# Altium PCB AMC_Box_Mainboard.PcbDoc (part 8 of 8)
Units mil, origin at the board's own origin, x right, y up, seen from the top; angles counter-clockwise.
Board outline 2795.28 x 7874.02 mil, 4 copper layers (TOP, GND, PWR, BTM), stack 63.701 mil thick; 505 components, 378 nets, 1991 pads, 997 vias.
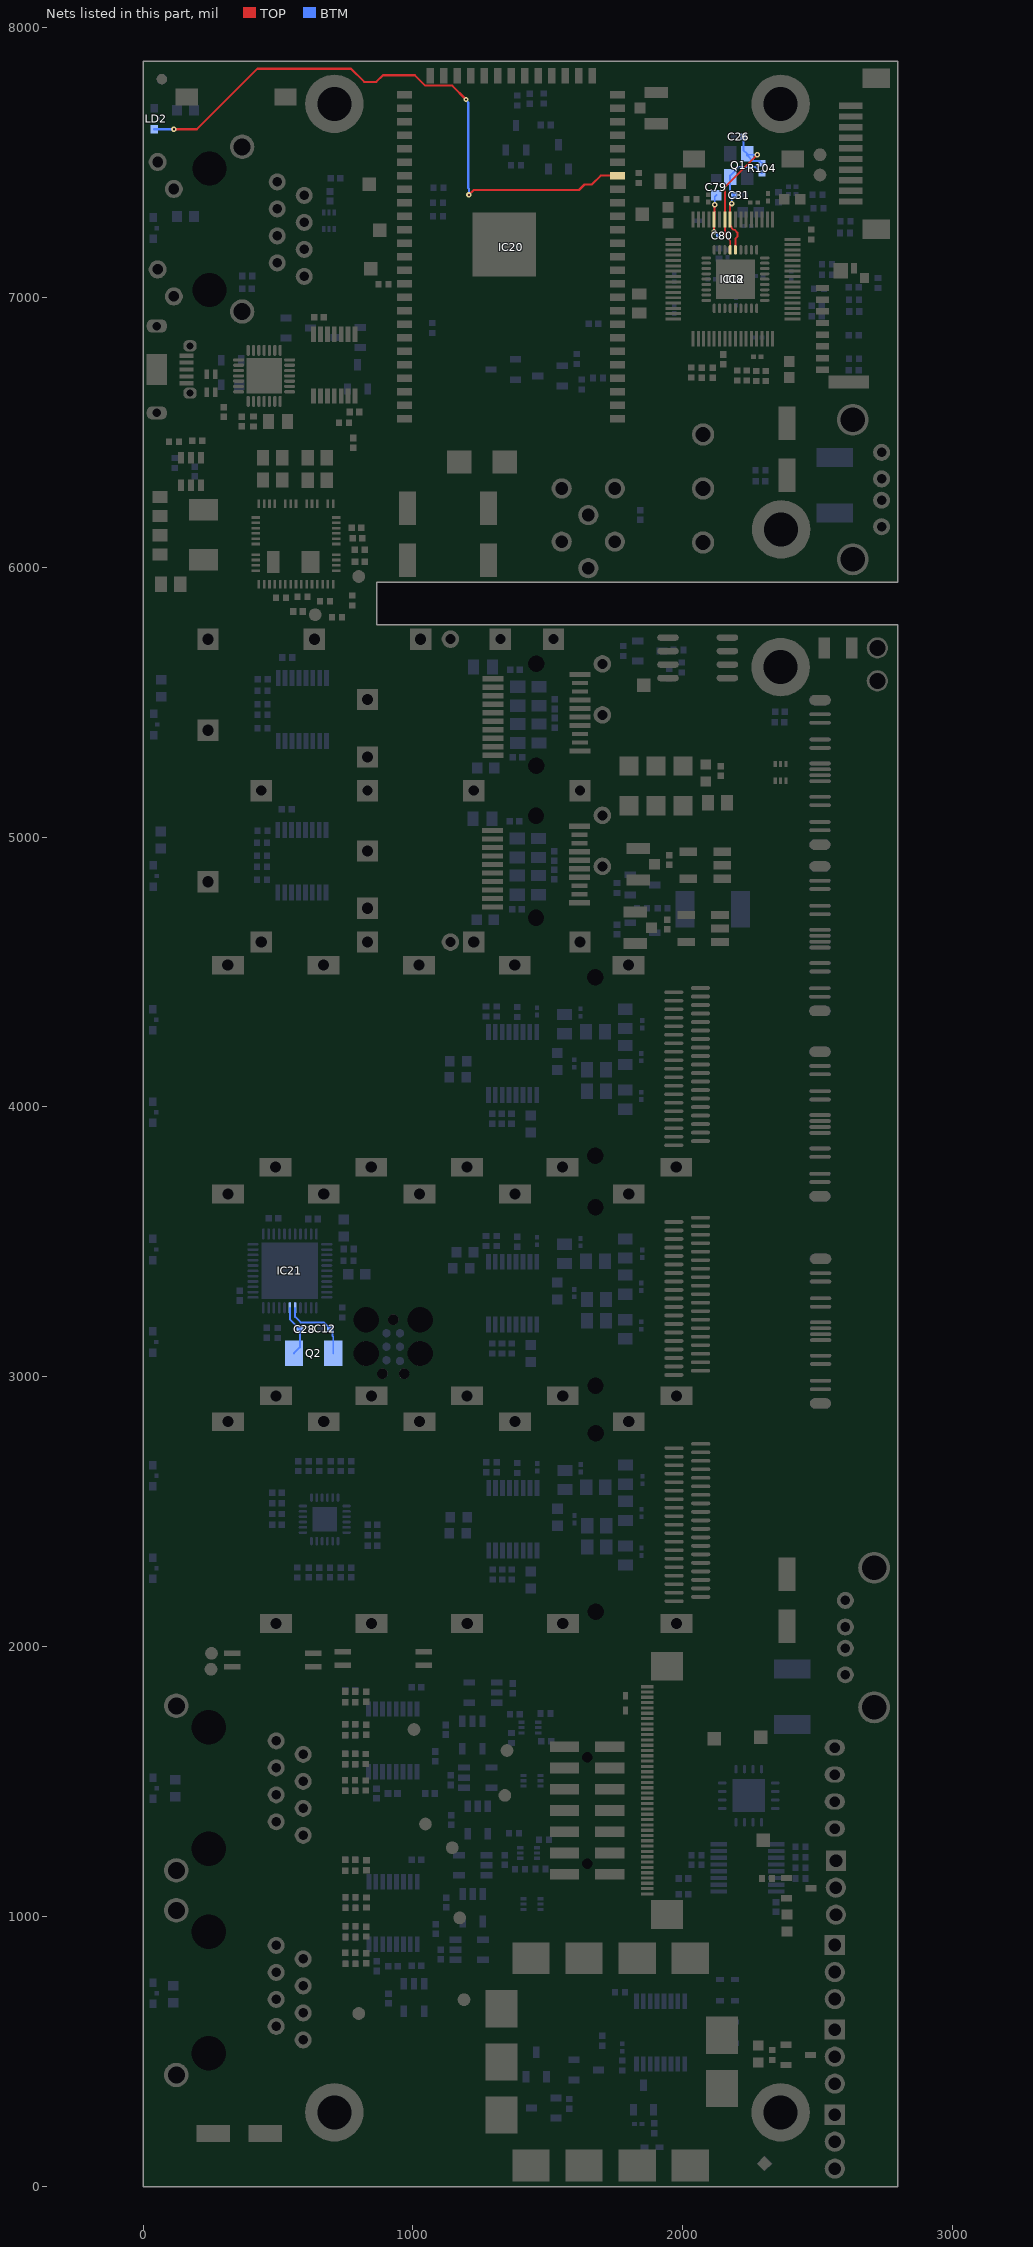
[diagram p10: the nets of this part, all layers, seen from the top]

## Via types
v1: diameter 19.68, hole 7.87, TOP to BTM, tented both sides, 751 vias
v2: diameter 20.08, hole 11.81, TOP to BTM, tented both sides, 162 vias
v3: diameter 19.68, hole 7.87, TOP to BTM, 43 vias
v4: diameter 31.5, hole 15.75, TOP to BTM, tented both sides, 36 vias
v5: diameter 25.98, hole 12.99, TOP to BTM, tented both sides, 4 vias
v6: diameter 50, hole 28, TOP to BTM, tented both sides, 1 vias

## Nets (pads, with @x,y where several pads share a name; then routed paths per layer and width w, separated by ;. In a path a pad name is that pad's centre, name@x,y a point inside that pad or via, vN(x,y) a via of type N, cw(c..) or ccw(c..) an arc to the next point about the centre after c; other vN are vias at no path point) (continued)
VDDA18: C79.2 C80.2 IC12.60 | length 161.1
  TOP w7: v1(2115.56,7242.63) 2115.85,7242.92 2115.85,7287.64 IC12.60@2116.14,7287.93 2117.13,7288.91 2117.13,7341.54 v1(2118.11,7342.52)
  BTM w7: v1(2115.56,7242.63) 2116.63,7242.63 2130.91,7228.35 C80.2@2131.89,7228.35 ; v1(2118.11,7342.52) 2118.11,7372.05 C79.2@2124.02,7377.95
WLED: IC20.44 LD2.2 | length 2254.1
  TOP w8: v1(114.17,7622.05) 199.49,7622.05 423.69,7846.25 770.75,7846.25 819.42,7797.58 864.43,7797.58 889.3,7822.45 1007.11,7822.45 1045.89,7783.67 1145.46,7783.67 v1(1196.85,7732.28) ; v1(1207.3,7379.31) 1225.3,7397.31 1615.53,7397.31 1635.64,7417.41 1662.34,7417.41 1695.32,7450.39 IC20.44@1758.5,7450.39
  BTM w8: LD2.2@41.34,7622.05 v1(114.17,7622.05) ; v1(1196.85,7732.28) 1196.85,7729.12 1204.72,7721.25 1204.72,7405.15 1207.3,7402.57 v1(1207.3,7379.31)
XTAL1: C28.2 IC21.17 Q2.2 | length 194
  BTM w7: IC21.17@544,3256.19 544,3214.57 C28.2@581.57,3177 581.57,3109.4 Q2.2@559.16,3087
XTAL2: C12.2 IC21.16 Q2.1 | length 278.2
  BTM w7: IC21.16@563.68,3256.19 563.68,3222.32 584,3202 670.32,3202 678.84,3193.48 678.84,3192.87 C12.2@693.72,3178 702.42,3169.3 702.42,3151.23 704.83,3148.81 Q2.1@704.83,3087
XTALIN: C26.1 IC8.33 IC12.58 Q1.1 R104.2 | length 591.5
  TOP w7: IC8.33@2175.2,7175.2 2175.55,7175.55 2175.55,7209.34 2155.51,7229.37 IC12.58@2155.51,7287.93 2155.7,7288.12 2155.7,7407.67 v1(2275.59,7527.56)
  BTM w7: C26.1@2224.41,7594.49 2224.41,7545.28 Q1.1@2238.19,7531.5 ; v1(2275.59,7527.56) 2242.13,7527.56 Q1.1@2238.19,7531.5 ; R104.2@2293.31,7496.06 2285.39,7503.98 2259.8,7503.98 2238.19,7525.59 Q1.1@2238.19,7531.5
XTALOUT: C31.2 IC8.32 IC12.57 Q1.3 R104.1 | length 447
  TOP w7: v1(2181.1,7346.46) 2175.2,7340.55 2175.2,7264.43 2181.16,7258.47 2181.16,7255.52 2186.61,7250.07 2191.48,7250.07 2202.07,7239.48 2202.07,7224.1 2194.53,7216.56 2194.53,7201.18 2194.88,7200.83 IC8.32@2194.88,7175.2
  BTM w7: v1(2181.1,7346.46) 2181.1,7365.15 2182.24,7366.29 2182.24,7369.25 C31.2@2190.94,7377.95 2175.2,7393.7 Q1.3@2175.2,7444.88 2175.2,7450.79 2207.04,7482.63 2268.94,7482.63 2292.52,7459.06 R104.1@2293.31,7459.06
pads on no net: B15.1 B16.1 B17.1 B19.1 B20.1 CON20A.MTG1 CON20A.MTG2 CON20B.MTG1 CON20B.MTG2 D1.2 D5.2 D6.4 D10.2 D12.2 D13.2 D14.2 D21.2 FTG3.1 FTG4.FTG2 FTG6.1 FTG8.FTG2 IC1.7 IC3A.12 IC3B.12 IC5.23 IC5.24 IC5.25 IC5.27 IC5.28 IC5.29 IC5.30 IC5.32 IC5.33 IC5.34 IC5.40 IC5.41 IC6.1 IC6.10 IC6.11 IC6.12 IC6.13 IC6.14 IC6.15 IC6.16 IC6.17 IC6.18 IC6.19 IC6.20 IC6.21 IC6.22 IC6.27 IC6.28 IC8.12 IC8.13 IC8.16 IC8.17 IC8.18 IC8.19 IC8.20 IC8.21 IC9.5 IC12.17 IC12.18 IC12.21 IC12.32 IC12.33 IC12.37 IC12.38 IC12.39 IC12.40 IC12.43 IC12.44 IC12.45 IC12.46 IC12.56 IC14A.4 IC14B.4 IC14C.4 IC20.6 IC20.7 IC20.8 IC20.9 IC20.10 IC20.P_CK+ IC20.P_CK- IC20.P_RX+ IC20.P_RX- IC20.P_TX+ IC20.P_TX- IC21.1 IC21.8 IC21.12 IC21.20 IC21.21 IC21.22 IC21.25 IC21.26 IC21.27 IC21.28 IC21.31 IC21.32 IC21.33 IC21.36 IC21.37 IC21.38 IC21.39 IC21.40 IC21.41 IC21.42 J1A.MTG1 J1A.MTG2 J1B.MTG1 J1B.MTG2 J1C.MTG1 J1C.MTG2 J5.3 J5.P1 J5.P2 J6.12 J6.15 J6.16 J9.1 J10A.M1 J10A.M2 J10B.M1 J10B.M2 J11.7 J11.M1 J11.M2 J13.1 J14. J17.0 J21.4 J21.PastePad LD1A.3 LD1B.3 LD2.3 LD3.3 LD4.3 LD5.3 LD6A.3 LD6B.3 LD6C.3 LD7A.3 LD7B.3 LD7C.3 OSC1.2 PCBM1.5 PCBM1.6

## Polygon pours and split planes (outlines as drawn)
P12V on TOP "Top-No Net" (solid, remove dead copper, pour order 75): 1625.98,5944.88 960.63,5944.88 778.54,6126.97 736.22,6126.97 712.6,6126.97 700.79,6138.78 700.79,6162.4 637.8,6162.4 633.86,6166.34 614.17,6186.03 614.17,6363.19 614.17,6468.5 917.32,6468.5 1625.98,6468.5
GND on TOP "Top-No Net" (solid, remove dead copper, pour order 79): 507.87,5906.5 338.58,5906.5 338.58,6063.98 358.27,6063.98 519.68,6063.98 523.62,6060.04 523.62,5957.68 523.62,5922.25
P3V3 on TOP "Top-No Net" (solid, remove dead copper, pour order 73): 429.13,6063.98 425.2,6060.04 318.9,6060.04 314.96,6060.04 314.96,6456.69 500,6456.69 500,6268.7 500,6209.65 452.76,6209.65 444.88,6201.77 440.94,6197.84 440.94,6174.22 440.94,6071.85 429.13,6060.04
GND on GND (split plane): 2775.18,5964.98 866.14,5964.98 862.22,5964.59 858.45,5963.45 854.98,5961.59 851.93,5959.09 849.43,5956.05 847.57,5952.57 846.43,5948.8 846.04,5944.88 846.04,5787.4 846.43,5783.48 847.57,5779.71 849.43,5776.24 851.93,5773.19 854.98,5770.69 858.45,5768.83 862.22,5767.69 866.14,5767.3 2775.18,5767.3 2775.18,20.1 20.1,20.1 20.1,5787.4 20.1,6601.95 66.53,6601.95 70.45,6602.33 72.73,6603.03 74.22,6603.48 77.11,6604.68 77.56,6604.92 80.59,6606.53 81.25,6607.08 83.63,6609.03 85.85,6611.25 87.92,6613.77 88.35,6614.29 89.15,6615.79 90.2,6617.77 91.4,6620.66 92.55,6624.43 92.79,6626.95 92.93,6628.35 92.93,6629.92 92.93,6647.64 92.93,6649.2 92.79,6650.61 92.55,6653.12 91.4,6656.89 90.2,6659.79 89.15,6661.76 88.35,6663.26 87.92,6663.79 85.85,6666.31 83.63,6668.52 81.64,6670.16 80.59,6671.02 79.09,6671.82 77.11,6672.88 74.22,6674.08 71.57,6674.88 70.45,6675.22 67.93,6675.47 66.53,6675.61 20.1,6675.61 20.1,6788.96 66.53,6788.96 70.45,6789.34 72.73,6790.04 74.22,6790.49 77.11,6791.69 77.56,6791.92 80.59,6793.54 81.25,6794.09 83.63,6796.04 85.85,6798.26 87.92,6800.78 88.35,6801.3 89.15,6802.8 90.2,6804.78 91.4,6807.67 92.55,6811.44 92.79,6813.95 92.93,6815.36 92.93,6816.93 92.93,6834.64 92.93,6836.21 92.79,6837.62 92.55,6840.13 91.4,6843.9 90.2,6846.8 89.15,6848.77 88.35,6850.27 87.92,6850.79 85.85,6853.31 83.63,6855.53 81.64,6857.17 80.59,6858.03 79.09,6858.83 77.11,6859.89 74.22,6861.09 71.57,6861.89 70.45,6862.23 67.93,6862.48 66.53,6862.61 20.1,6862.61 20.1,7853.92 2775.18,7853.92
P5V0 on PWR (split plane): 174 vertices, not listed, extent 20.1,20.1 2775.18,7853.92
P3V3 on PWR (split plane): 2660.26,7651.43 2660.26,6387.94 2580.57,6308.25 2496.06,6308.25 2494.11,6307.86 2492.46,6306.75 2472.77,6287.07 2471.67,6285.42 2471.28,6283.46 2471.28,5964.98 1658.64,5964.98 1658.64,6106.3 1658.25,6108.25 1657.15,6109.9 1594.16,6172.9 1592.5,6174 1590.55,6174.39 1480.31,6174.39 1478.36,6174 1476.71,6172.9 1360.09,6056.28 834.65,6056.28 832.69,6055.89 831.04,6054.79 775.92,5999.67 774.82,5998.01 774.43,5996.06 774.43,5970.62 738.05,5934.23 704.72,5934.23 702.77,5933.84 701.12,5932.74 681.43,5913.05 680.33,5911.4 679.94,5909.45 679.94,5732.28 680.33,5730.33 681.43,5728.68 748.36,5661.75 750.02,5660.64 751.97,5660.26 1202.61,5660.26 1224.94,5637.93 1226.59,5636.83 1228.54,5636.44 1903.6,5636.44 2177.5,5362.54 2179.15,5361.43 2181.1,5361.04 2501.83,5361.04 2687.82,5175.05 2687.82,2612.35 2606.63,2531.16 2605.53,2529.51 2605.14,2527.56 2605.14,2002.11 2564.82,1961.79 2322.83,1961.79 2320.88,1961.4 2319.23,1960.3 2228.68,1869.75 2227.57,1868.09 2227.19,1866.14 2227.19,1661.42 2227.57,1659.47 2228.68,1657.81 2350.73,1535.77 2352.38,1534.66 2354.33,1534.27 2395.53,1534.27 2439.78,1490.01 2439.78,146.83 281.64,146.83 135.02,293.45 135.02,5958.52 192.58,6016.08 193.69,6017.73 194.07,6019.69 194.07,6185.04 194.07,7698.68 273.77,7778.37 2533.32,7778.37
P12V on PWR (split plane): 1648.45,6104.19 1648.45,5964.98 866.14,5964.98 862.22,5964.59 858.45,5963.45 854.98,5961.59 851.93,5959.09 849.43,5956.05 847.57,5952.57 846.43,5948.8 846.04,5944.88 846.04,5787.4 846.43,5783.48 847.57,5779.71 849.43,5776.24 851.93,5773.19 854.98,5770.69 858.45,5768.83 862.22,5767.69 866.14,5767.3 2116.95,5767.3 2116.95,5570.87 2117.34,5568.92 2118.44,5567.26 2248.36,5437.34 2250.02,5436.23 2251.97,5435.85 2775.18,5435.85 2775.18,1863.37 2358.27,1863.37 2356.32,1862.98 2354.66,1861.87 2299.54,1806.75 2298.44,1805.1 2298.05,1803.15 2298.05,1748.03 2298.44,1746.08 2299.54,1744.43 2342.85,1701.12 2344.51,1700.01 2346.46,1699.63 2604.19,1699.63 2636.63,1667.18 2636.63,218.65 2564.82,146.83 2449.98,146.83 2449.98,1492.13 2449.59,1494.08 2448.49,1495.73 2401.24,1542.97 2399.59,1544.08 2397.64,1544.47 2356.44,1544.47 2237.38,1663.53 2237.38,1864.03 2324.95,1951.59 2566.93,1951.59 2568.88,1951.98 2570.53,1953.09 2613.84,1996.4 2614.95,1998.05 2615.33,2000 2615.33,2525.45 2696.52,2606.63 2697.62,2608.29 2698.01,2610.24 2698.01,5177.17 2697.62,5179.12 2696.52,5180.77 2507.54,5369.75 2505.89,5370.85 2503.94,5371.24 2183.21,5371.24 1909.31,5645.14 1907.66,5646.25 1905.71,5646.63 1230.65,5646.63 1208.33,5668.96 1206.68,5670.06 1204.72,5670.45 754.08,5670.45 690.14,5734.4 690.14,5907.34 706.84,5924.04 740.16,5924.04 742.11,5924.42 743.76,5925.53 783.13,5964.9 784.24,5966.55 784.63,5968.5 784.63,5993.95 836.76,6046.08 1362.2,6046.08 1364.16,6046.47 1365.81,6047.58 1482.43,6164.19 1588.44,6164.19
VDDA on PWR (split plane): 2026.4,7029.38 2026.4,6966.68 2015.96,6956.24 1984.04,6956.24 1942.11,6998.17 1942.11,7035.43 1941.72,7037.38 1940.61,7039.04 1909.12,7070.53 1907.46,7071.64 1905.51,7072.03 1899.75,7072.03 1886.99,7084.79 1886.99,7104.19 1899.75,7116.95 1938.83,7116.95
NetF4_1 on PWR (split plane): 2775.18,5446.04 2254.08,5446.04 2127.15,5572.98 2127.15,5767.3 2775.18,5767.3

## Keep-outs
Keep-Out Layer:
  lines w3.94: 2677.17,5944.88 866.14,5944.88 866.14,5787.4 2795.28,5787.4 2795.28,157.51 2637.77,0 0,0 0,1.98 0,5787.4 0,5944.88 0,7874.02 2677.17,7874.02 ; 2795.28,7283.44 2795.28,7874.02 2637.8,7874.02 ; 2637.8,7874.02 2637.8,7874.02

## Other copper
TOP:
  rectangle net P3V3: 430,6279 458,6404
  region net NetIC5_8: 563.98,6250.98 563.98,6265.75 546.26,6265.75 546.26,6250.98
  rectangle net NetIC5_8: 542.32,6243.11 552.17,6260.83
  rectangle net NetIC5_8: 562.01,6243.11 571.85,6260.83
  rectangle net NetIC5_4: 640.75,6243.11 650.59,6260.83
  rectangle net P12V: 1968.5,5618.11 2086.61,5759.84
  rectangle net GND: 527.56,6291.34 594.49,6440.94
  rectangle net AMC_PWR: 2614.17,5649.61 2759.84,5751.97
  rectangle net NetF4_1: 2496.06,5582.68 2590.55,5748.03
BTM:
  rectangle net NetF4_1: 2555,5582.68 2590.55,5745
PWR (plane layer: these items are gaps in the copper):
  lines w10: 1653.54,5937.01 1653.54,6106.3 1590.55,6169.29 1480.31,6169.29 1362.2,6051.18 834.65,6051.18 779.53,5996.06 779.53,5968.5 740.16,5929.13 704.72,5929.13 685.04,5909.45 685.04,5732.28 751.97,5665.35 1204.72,5665.35 1228.54,5641.54 1905.71,5641.54 2181.1,5366.14 2503.94,5366.14 2692.91,5177.17 2692.91,2610.24 2610.24,2527.56 2610.24,2000 2566.93,1956.69 2322.83,1956.69 2232.28,1866.14 2232.28,1661.42 2354.33,1539.37 2397.64,1539.37 2444.88,1492.13 2444.88,141.73 ; 2122.05,5791.34 2122.05,5570.87 2251.97,5440.94 2791.34,5440.94 ; 2476.38,5944.88 2476.38,6283.46 2496.06,6303.15 2582.68,6303.15 2665.35,6385.83 2665.35,7653.54 2535.43,7783.46 271.65,7783.46 188.98,7700.79 188.98,6185.04 188.98,6019.69 129.92,5960.63 129.92,291.34 279.53,141.73 2566.93,141.73 2641.73,216.54 2641.73,1669.29 2606.3,1704.72 2346.46,1704.72 2303.15,1748.03 2303.15,1803.15 2358.27,1858.27 2799.21,1858.27 ; 1881.89,7082.68 1881.89,7106.3 1897.64,7122.05 1940.94,7122.05 2031.5,7031.5 2031.5,6964.57 2018.07,6951.14 1981.93,6951.14 1937.01,6996.06 1937.01,7035.43 1905.51,7066.93 1897.64,7066.93 1881.89,7082.68

## Silkscreen, mask and mechanical layers (free items; w line width, h text height)
Top Overlay:
  text "WIFI" at 1982.44,7710.79 h60
  text "HW RST" at 299.31,7613.12 h40
  text "SW RST" at 2039,7592 h40
  text "LCD" at 2547.24,7570.87 h30 r90
  text "Ethernet" at 729,7062 h60 r90
  text "Console" at 191,6844 h60
  text "SD CARD" at 2762,6783 h40 r90
  text "EARTH" at 2240.16,6602.36 h30
  text "GND" at 2283.46,6216.54 h39.37 r90
  text "USB3" at 2536.46,6088.35 h60 r90
  text "+12V" at 2251.97,5984.25 h30
  text "P5V0" at 87,5819 h60
  text "P" at 2627,5599 h60
  text "EN AMC PWR" at 1840,5476 h40
  text "G" at 2635,5471 h60
  text "CLKA" at 1929.13,4562.01 h30
  text "CLKB" at 1914.37,4361.22 h30
  text "AMC BOX v1.1 WUT ISE 2022" at 2347,2373 h60 r90
  text "USB2" at 2542,2373 h60
  text "SDA" at 128,1956 h30
  text "SCL" at 141,1899 h30
  text "LVDS / RS232" at 273,1813 h30
  text "JTAG" at 1515,1754 h60
  text "DR4B" at 940.94,1732.28 h30
  text "OVERN" at 2083,1728 h40
  text "FANN" at 2337,1620 h40
  text "DR3B" at 1386,1587 h30
  text "SENSORS" at 2107,1511 h60
  text "DR2B" at 1283.46,1492.13 h30
  text "THERMN" at 2209.72,1337.68 h40
  text "TCK" at 1417.32,1299.21 h30
  text "DR1B" at 1000,1281.5 h30
  text "TMS" at 1405.51,1220.47 h30
  text "DR4A" at 1098.43,1188.98 h30
  text "LVDS / RS232" at 265.75,1067.91 h30
  text "DR3A" at 1122.05,933.07 h30
  text "TACH1" at 2374.02,862.2 h30
  text "12V" at 2393.7,775.59 h30
  text "DR2A" at 1122.05,732.28 h30
  text "DR1A" at 748.03,681.1 h30
  text "GND" at 2393.7,677.17 h30
  text "TACH2" at 2484.25,338.58 h30 r270
  text "12V" at 2433.07,142.72 h30
  text "GND" at 2433.07,44.29 h30
Bottom Overlay:
  lines w10: 2497,7400 2514,7417 2784,7417 ; 2537,7343 2551,7357 2770,7357 ; 2638,7240 2654,7224 2781,7224 ; 2642,7279 2650,7287 2775,7287
  text "NON_REM0" at 2766,7430.66 h40
  text "SFG_S1" at 2765,7368.66 h40
  text "SFG_S0" at 2770,7298.66 h40
  text "NON_REM1" at 2771,7172.66 h40
OUTLINE:
  lines w3.94: 0,0 2795.28,0 2795.28,5787.4 866.14,5787.4 866.14,5944.88 2795.28,5944.88 2795.28,7874.02 0,7874.02 0,5944.88 0,5787.4 0,0

## Text inside footprints (layer, text, board x,y; h text height)
Cage1A: Drill Drawing "PRESS-FIT TECHNOLOGY" at 586.04,4075.95 h39.37; Drill Drawing "10x diam. 1.05mm +/-0.05" at 508.28,4021.41 h39.37
Cage1B: Drill Drawing "PRESS-FIT TECHNOLOGY" at 586.93,3227.99 h39.37; Drill Drawing "10x diam. 1.05mm +/-0.05" at 509.17,3173.46 h39.37
Cage1C: Drill Drawing "PRESS-FIT TECHNOLOGY" at 587.01,2385.04 h39.37; Drill Drawing "10x diam. 1.05mm +/-0.05" at 509.25,2330.5 h39.37
Cage2: Drill Drawing "TECHNOLOGY" at 386.81,4896.46 h39.37; Drill Drawing "12x diam. 0.95mm +/-0.05" at 300.2,5061.81 h39.37; Drill Drawing "13x diam. 1.05mm +/-0.05" at 308.07,4829.53 h39.37; Drill Drawing "PRESS-FIT" at 418.31,4971.26 h39.37; Mechanical 8 "Component and Trace Keep-Out / Except Cage Chassis Ground" at 213.58,4640.55 h39.37 r90; Mechanical 8 "20" at 1528.54,5068.22 h39.37 r270; Mechanical 8 "11" at 1528.54,4777.36 h39.37 r270; Mechanical 8 "10" at 1347.44,4765.57 h39.37 r270; Mechanical 8 "1" at 1347.44,5035.24 h39.37 r270; Mechanical 8 "20" at 1528.54,5629.24 h39.37 r270; Mechanical 8 "11" at 1528.54,5338.39 h39.37 r270; Mechanical 8 "10" at 1347.44,5326.59 h39.37 r270; Mechanical 8 "1" at 1347.44,5596.26 h39.37 r270
FL1: Top Overlay "B" at 1803.15,6106.3 h47.24 r270; Top Overlay "CB" at 1448.82,6133.86 h47.24 r270; Top Overlay "CG" at 1448.82,6330.71 h47.24 r270; Top Overlay "PSG" at 1803.15,6350.39 h47.24 r270; Top Overlay "CG" at 1625.98,6137.8 h47.24 r270
IC12: Top Overlay "*" at 1897.54,7214.41 h50; Mechanical 14 "*" at 1990.54,7199.41 h50
J1A: Top Overlay "38" at 2141.79,4424.96 h39.37; Top Overlay "20" at 2141.79,3858.03 h39.37; Top Overlay "1" at 1889.83,4409.21 h39.37; Mechanical 14 "1" at 1889.83,4409.21 h39.37; Mechanical 14 "20" at 2141.79,3858.03 h39.37; Mechanical 14 "38" at 2141.79,4424.96 h39.37
J1B: Top Overlay "38" at 2141.91,3574.25 h39.37; Top Overlay "20" at 2141.91,3007.32 h39.37; Top Overlay "1" at 1889.94,3558.51 h39.37; Mechanical 14 "1" at 1889.94,3558.51 h39.37; Mechanical 14 "20" at 2141.91,3007.32 h39.37; Mechanical 14 "38" at 2141.91,3574.25 h39.37
J1C: Top Overlay "38" at 2142.72,2736.22 h39.37; Top Overlay "20" at 2142.72,2169.29 h39.37; Top Overlay "1" at 1890.75,2720.47 h39.37; Mechanical 14 "1" at 1890.75,2720.47 h39.37; Mechanical 14 "20" at 2142.72,2169.29 h39.37; Mechanical 14 "38" at 2142.72,2736.22 h39.37
J4: Top Overlay "1" at 2016.34,6087.01 h47.24 r90; Top Overlay "3" at 2016.34,6476.18 h47.24 r90; Mechanical 14 "1" at 2016.34,6087.01 h47.24 r90; Mechanical 14 "3" at 2016.34,6476.18 h47.24 r90
J5: Top Overlay "10" at 2740.16,7728.35 h39.37 r180; Top Overlay "1" at 2696.85,7374.02 h39.37 r180
J8: Top Overlay "1" at 2609.96,957.19 h39.37 r270; Mechanical 14 "1" at 2609.96,957.19 h39.37 r270
J9: Top Overlay "1" at 2613.9,1269.78 h39.37 r270; Mechanical 14 "1" at 2613.9,1269.78 h39.37 r270
J10A: Top Overlay "1" at 519.68,956.3 h47.24 r90; Mechanical 14 "1" at 519.68,956.3 h47.24 r90
J10B: Top Overlay "1" at 519.68,1714.17 h47.24 r90; Mechanical 14 "1" at 519.68,1714.17 h47.24 r90
J12: Top Overlay "1" at 2609.96,328.84 h39.37 r270; Mechanical 14 "1" at 2609.96,328.84 h39.37 r270
J13: Top Overlay "1" at 2609.96,643.8 h39.37 r270; Mechanical 14 "1" at 2609.96,643.8 h39.37 r270
J14: Top Overlay "40" at 1864.96,1871.26 h35 r90; Top Overlay "1" at 1864.96,1051.18 h35 r90
J20: Top Overlay "1" at 2612.72,1672.93 h39.37 r270; Mechanical 14 "1" at 2612.72,1672.93 h39.37 r270
J21: Drill Drawing "0.85" at -110.85,6791.42 h39.37 r270; Drill Drawing "1.87" at -8.32,6746.43 h39.37; Drill Drawing "r0.2" at 110.24,6641.73 h39.37 r270; Mechanical 8 "PCB end" at -38.39,6901.57 h19.68 r270
JMP2: Top Overlay "1" at 2429.57,4964.17 h60 r90
JMP4: Bottom Overlay "1" at 2428.7,5515.35 h60 r90
JMP5A: Bottom Overlay "1" at 2429.57,4899.21 h60 r90
JMP5B: Bottom Overlay "1" at 2428.7,4212.6 h60 r90
JMP5C: Bottom Overlay "1" at 2430.49,3445.12 h60 r90
JMP6A: Top Overlay "1" at 2428.7,4348.03 h60 r90
JMP6B: Top Overlay "1" at 2429.57,3661.42 h60 r90
JMP6C: Top Overlay "1" at 2431.36,2893.93 h60 r90
SW3: Top Overlay "ON" at 939.76,2006.69 h39.37 r270; Top Overlay "2" at 799.76,1941.69 h39.37 r270; Top Overlay "1" at 799.76,1991.69 h39.37 r270; Mechanical 14 "ON" at 940.16,2006.69 h39.37 r270; Mechanical 14 "2" at 800.16,1941.69 h39.37 r270; Mechanical 14 "1" at 800.16,1991.69 h39.37 r270
SW4: Top Overlay "ON" at 430.32,1901.38 h39.37 r90; Top Overlay "2" at 570.32,1966.38 h39.37 r90; Top Overlay "1" at 570.32,1916.38 h39.37 r90; Mechanical 14 "ON" at 429.92,1901.38 h39.37 r90; Mechanical 14 "2" at 569.92,1966.38 h39.37 r90; Mechanical 14 "1" at 569.92,1916.38 h39.37 r90